# Altium PCB MMB_Controller_Board.pcbdoc (part 2 of 3) (continued)
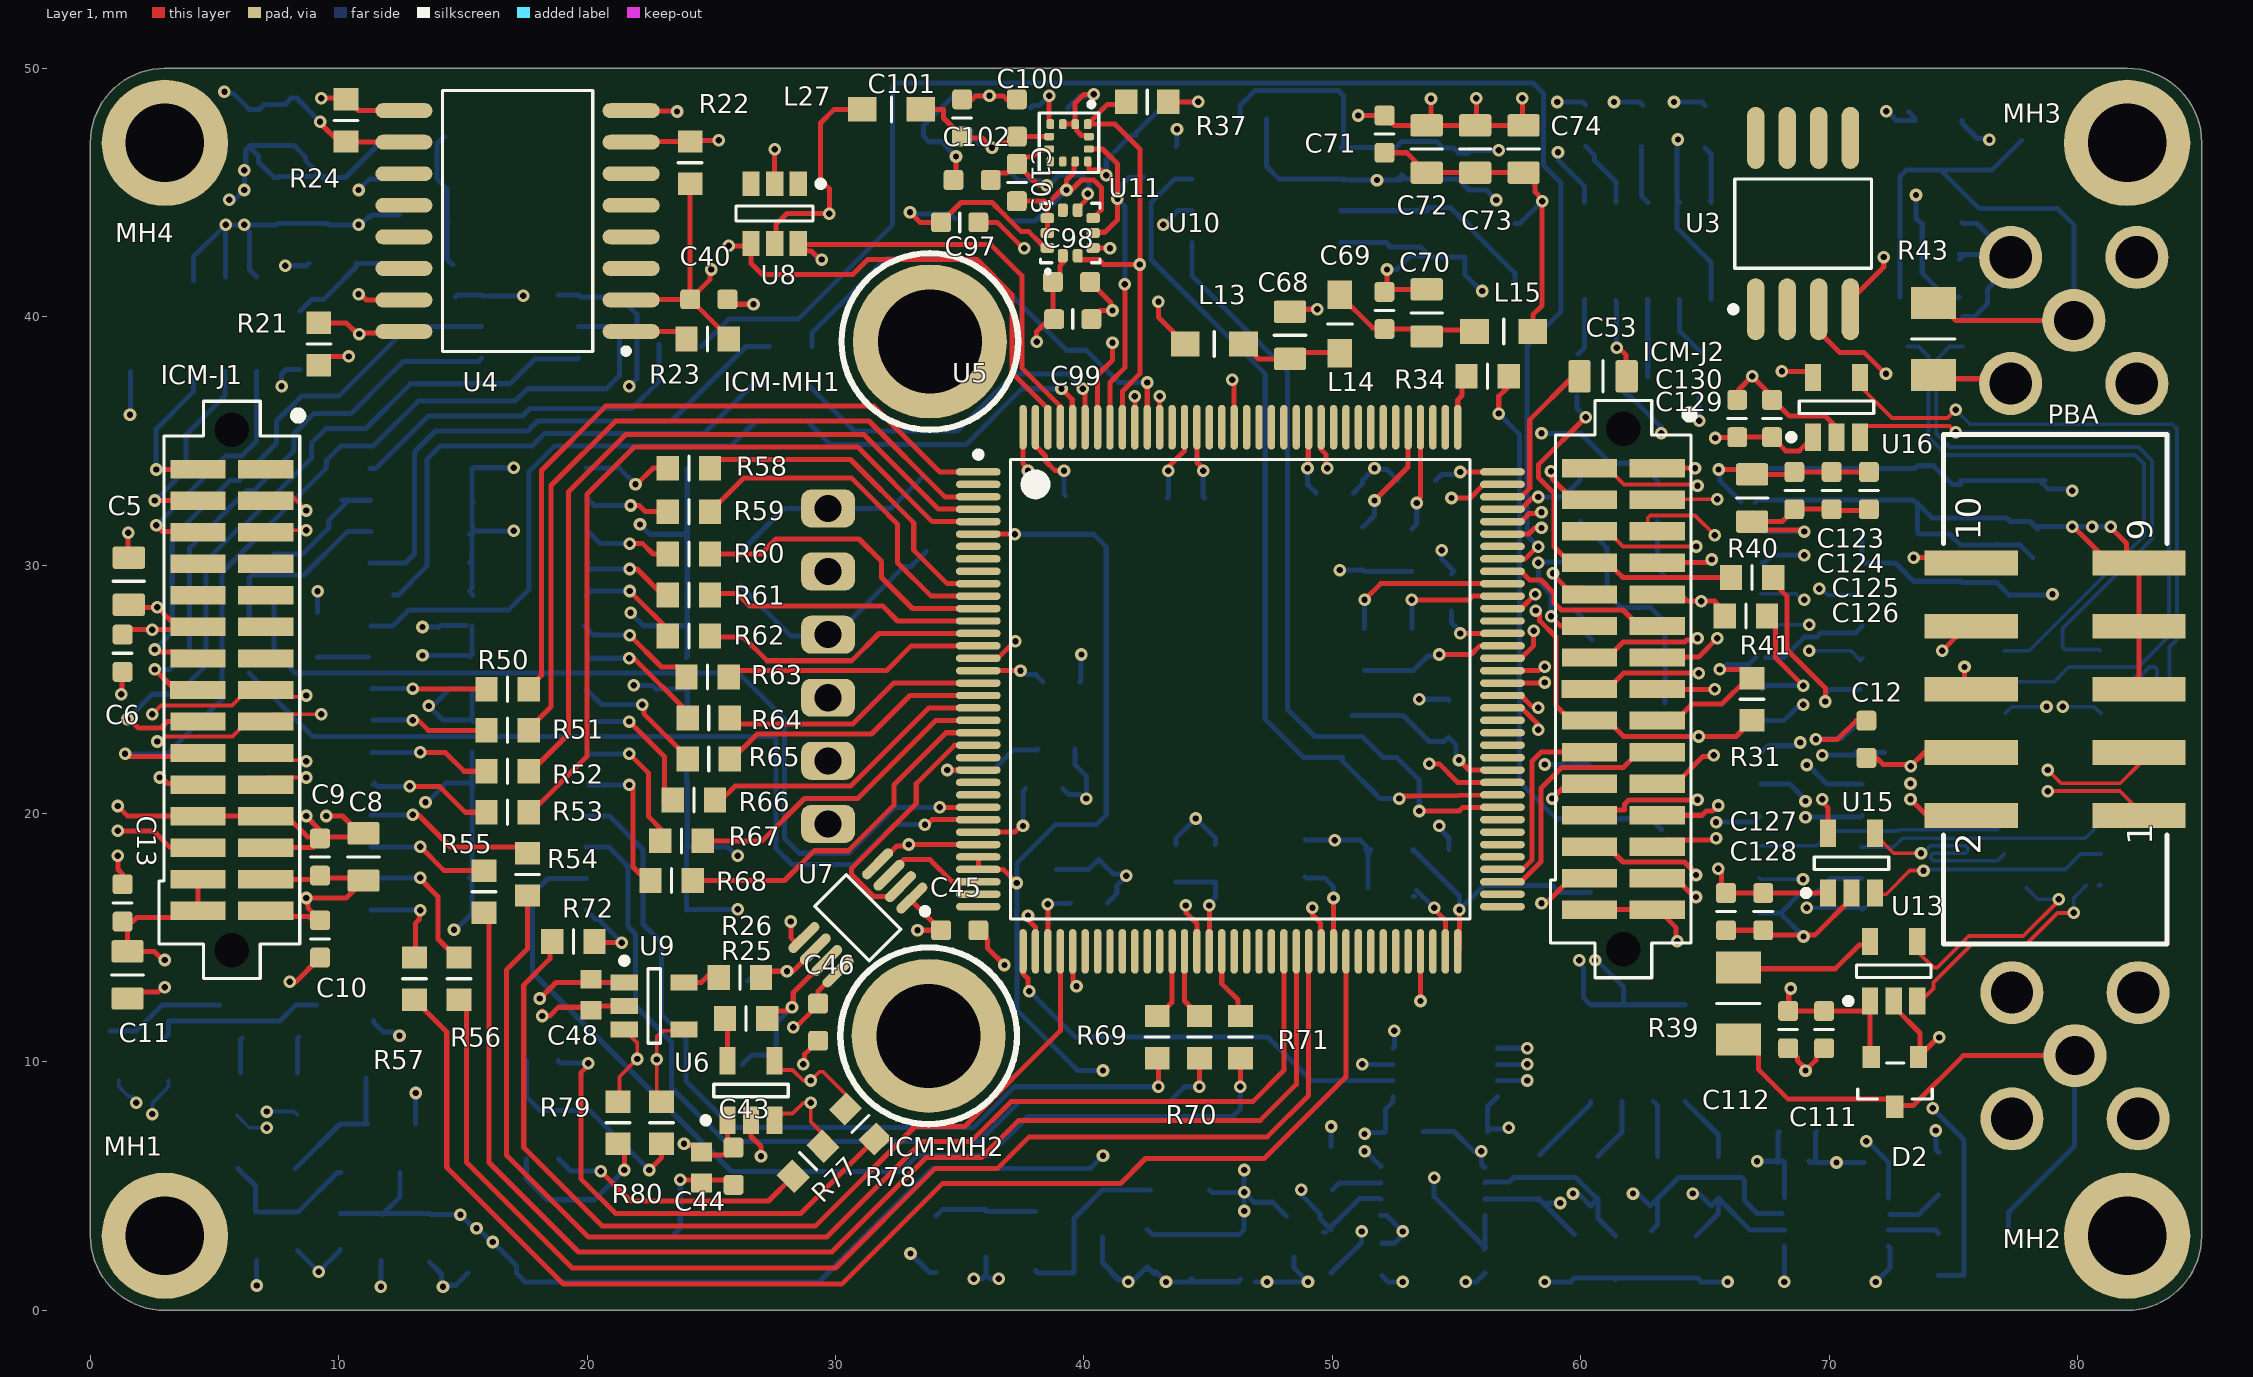
[diagram p0: Layer 1 view]
## Nets (pads, with @x,y where several pads share a name; then routed paths per layer and width w, separated by ;. In a path a pad name is that pad's centre, name@x,y a point inside that pad or via, vN(x,y) a via of type N, cw(c..) or ccw(c..) an arc to the next point about the centre after c; other vN are vias at no path point) (continued)
  Layer 8 w0.203: v1(1.25,24.8) 1.275,24.825 1.275,25.675 C7.1@1.3,25.7 ; P2.5@4.15,41.45 4.15,42.4 v1(5.45,43.7) ; v1(5.4,49.05) 5.458,48.992 5.758,48.992 C78.1@6.4,48.35 6.81,48.35 7.001,48.542 7.842,48.542 C81.1@8.1,48.8 8.3,48.8 v1(9.25,47.85) ; P2.7@5.45,41.6 v1(5.45,43.7) ; v1@6.25,43.65 v1(6.2,43.7) ; v1(6.7,1) C84.1@6.7,2 ; P2.9@6.7,41.6 6.417,41.883 6.417,43.401 6.2,43.618 v1(6.2,43.7) ; v1(7.85,42.05) 8.7,42.05 C75.1@8.8,42.15 ; C83.1@8.35,2.4 v1(9.2,1.55) 10.05,2.4 C85.1@10.05,2.45 ; C79.1@9.5,43.75 C80.1@7.55,43.75 7.5,43.7 v1(6.2,43.7) ; C79.1@9.55,43.75 9.6,43.7 v1(10.8,43.7) 10.882,43.7 11.232,44.05 11.25,44.05 ; v1@10.85,45.1 10.85,45.15 11.25,45.55 C76.1@12.45,45.55 ; 11.25,44 11.35,44.1 C77.1@12.45,44.1 ; v1(11.7,0.95) C88.1@11.7,2 ; C82.1@13.1,7.5 v1(13.1,8.75) ; v1(13.374,26.363) 15.208,26.363 15.272,26.299 15.364,26.391 P12.11@15.364,27.55 ; v1(13.374,27.506) 14.031,27.506 14.094,27.569 P12.11@15.145,27.569 ; v1(13.494,20.457) 13.564,20.457 14.326,21.219 P12.21@15.272,21.219 ; C86.1@13.65,1.95 14.142,1.458 14.142,1.008 v1(14.2,0.95) 14.258,1.008 14.708,1.008 C87.1@15.2,1.5 ; v1@14.637,15.25 15.364,15.977 P12.29@15.364,16.12 ; P33.5@14.7,40.8 14.77,40.87 P33.5@15.75,40.87 15.782,40.838 v1(17.431,40.838) ; P12.17@15.145,23.759 14.2,23.759 v1(13.628,24.331) 13.686,24.389 13.842,24.389 14.481,25.029 P12.15@15.145,25.029 ; P12.27@15.272,17.409 15.364,17.501 P12.25@15.364,18.66 ; P12.25@15.272,18.679 15.364,18.771 P12.23@15.364,19.93 ; P12.17@15.272,23.759 15.364,23.851 P12.15@15.364,25.01 ; P12.9@15.272,28.966 15.364,29.058 P12.7@15.364,30.09 ; P12.7@15.272,30.109 15.364,30.201 P12.5@15.364,31.344 ; P12.5@15.272,31.252 P12.5@15.364,31.344 ; P12.27@15.364,17.39 15.364,16.174 P12.29@15.399,16.139 ; P12.19@15.364,22.47 P12.21@15.364,21.2 P12.21@15.364,21.127 ; P12.17@15.364,23.74 P12.17@15.399,23.705 ; P12.9@15.364,28.82 P12.9@15.399,28.785 ; P12.5@15.364,31.36 P12.5@15.364,31.344 ; P12.1@15.364,33.9 P12.3@15.364,32.63 P12.3@15.364,32.557 ; P12.23@15.399,19.949 15.364,19.984 P12.21@15.364,21.127 ; P12.21@15.399,21.092 P12.21@15.364,21.127 ; P12.5@15.399,31.506 15.364,31.541 P12.3@15.364,32.557 ; P12.3@15.399,32.522 P12.3@15.364,32.557 ; P12.1@15.399,33.919 v1(17.05,33.919) ; v1(17.05,31.379) 15.399,31.379 P12.5@15.364,31.344 ; v1(21.75,28.082) 22.273,27.559 24.003,27.559 24.032,27.588 P15.9@24.032,28.731 ; v1(21.877,25.161) 22.62,25.161 22.762,25.019 P15.15@23.876,25.019 ; v1(22.131,31.638) 22.527,31.242 P15.5@24.003,31.242 ; TP4.1@23.495,3.048 23.75,3.303 v1(23.75,5.25) ; P15.27@24.003,17.399 24.003,16.139 P15.29@24.032,16.11 24.051,16.129 v1@26.035,16.129 ; P15.25@24.003,18.669 24.003,17.409 P15.27@24.032,17.38 ; P15.23@24.003,19.939 24.032,19.91 P15.25@24.032,18.65 25.673,18.65 v1@26.035,18.288 ; P15.19@24.003,22.479 P15.21@24.003,21.336 ; P15.19@24.003,22.489 P15.19@24.032,22.46 ; P15.17@24.003,23.749 24.032,23.778 P15.15@24.032,25 ; P15.13@24.003,26.289 24.032,26.318 P15.11@24.032,27.54 ; P15.9@24.003,28.702 P15.9@24.032,28.731 ; P15.5@24.003,31.369 24.032,31.398 P15.3@24.032,32.62 ; P15.3@24.003,32.766 24.032,32.795 P15.1@24.032,33.89 ; P15.23@24.032,19.92 P15.21@24.032,21.19 ; P15.7@24.032,30.08 P15.9@24.032,28.81 P15.9@24.032,28.731 ; P15.7@24.032,30.099 24.032,31.242 P15.5@24.032,31.35 ; C41.1@26.3,30.65 27.93,32.28 P9.1@29.7,32.28 32.23,32.28 C42.1@33.45,33.5 ; C96.1@34.8,45.45 34.85,45.5 v1(34.85,46.45) 34.257,47.043 33.757,47.043 33.55,47.25 C134.1@33.55,47.5 33.55,47.7 34.75,48.9 v1(36.2,48.9) ; C89.1@36.05,2.15 36.05,1.45 ; 36.053,1.397 35.926,1.27 v1(35.56,1.27) 35.87,1.27 36.05,1.45 ; v1(36.576,1.27) 36.23,1.27 36.05,1.45 ; C133.1@37.1,43.85 38.05,43.85 v1(39.3,45.1) ; C51.1@38.9,17.75 40.2,17.75 C50.1@40.6,18.15 41.192,17.558 41.642,17.558 v1(41.7,17.5) 41.7,17.466 41.322,17.088 41.322,16.772 C58.1@40.95,16.4 ; C67.2@39.15,21 39.387,20.763 39.855,20.763 40.018,20.6 v1(40.1,20.6) 40.1,21.5 39.65,21.95 C49.1@39.65,22.6 ; v1(39.2,33.8) 39.2,32.85 C59.1@39.25,32.8 ; C104.2@39.35,48.4 39.842,48.892 40.342,48.892 v1(40.4,48.95) ; C57.1@39.85,25.3 39.875,25.325 39.875,26.375 v1(39.9,26.4) ; C91.1@40.75,2.95 40.75,1.922 C90.1@41.344,1.328 ; C90.1@41.1,1.5 41.387,1.213 41.631,1.213 41.701,1.143 v1(41.783,1.143) ; v1@41.783,1.27 v1@41.783,1.188 ; v1@41.865,1.27 v1@41.783,1.188 ; C92.1@42.263,1.463 C92.1@42.451,1.651 ; C92.1@42.545,1.651 C92.1@42.451,1.651 ; C92.1@42.59,1.7 C92.1@42.837,1.453 ; v1(43.2,43.7) 43.765,44.265 U12.2@44.35,44.265 ; C56.1@43.7,18.75 43.7,19 v1(44.5,19.8) 45.3,19 C55.1@45.3,18.75 ; U12.4@43.7,46.85 43.75,46.9 v1(43.75,47.55) ; C94.1@44.316,1.15 46.2,1.15 C95.1@46.3,1.25 ; C94.1@44.323,1.27 44.196,1.143 v1(43.307,1.143) 42.912,1.538 42.762,1.538 C92.1@42.55,1.75 C92.1@42.451,1.651 ; v1(44.8,33.8) 44.8,32.75 C66.2@44.85,32.7 ; 46.893,1.143 v1(47.371,1.143) v1(49.022,1.143) 48.45,1.715 C93.1@48.45,2.15 ; U12.6@47.35,47.95 U12.6@47.35,47.9 47.35,46.05 47.865,45.535 U12.9@50.35,45.535 ; C62.2@48.9,18.95 48.913,18.938 50.087,18.938 v1(50.1,18.925) 51.125,18.925 C54.1@51.35,18.7 ; v1(50.3,29.8) 51.25,29.8 ID3.2@51.3,29.75 ID2.2@53.2,29.75 ; U12.11@50.35,42.995 52.155,42.995 C108.1@52.3,42.85 52.3,42.8 53.55,42.8 C110.1@53.9,42.45 53.15,42.45 52.6,41.9 v1(52.2,41.9) ; U12.11@50.4,42.95 U12.11@50.437,42.913 ; U12.9@50.4,45.5 50.45,45.55 50.5,45.5 v1(51.8,45.5) ; C65.2@50.85,32.9 51.222,33.272 51.222,33.422 v1(51.7,33.9) 51.758,33.842 52.208,33.842 C60.1@52.65,33.4 ; v1(51.3,6.4) 51.35,6.4 U1.4@51.95,5.8 ; ID1.2@51.3,25.75 ID0.2@53.2,25.75 53.25,25.75 53.842,26.342 54.242,26.342 v1(54.3,26.4) ; C52.1@51.435,17.018 51.435,18.349 C54.1@51.501,18.415 ; C54.1@51.435,18.415 51.35,18.5 51.35,18.542 C54.1@51.562,18.542 ; v1@51.85,45.55 v1(51.8,45.5) ; C2.1@52,1.4 52.257,1.143 v1(52.832,1.143) ; U17.4@52.45,10.55 52.5,10.6 v1(52.5,11.25) v1@52.5,11.3 ; C105.1@52.644,45.55 52.794,45.7 52.944,45.55 C106.1@54.2,45.55 55.05,45.55 C107.1@55.5,45.1 56.2,45.1 v1(56.6,44.7) ; C105.1@52.8,45.55 52.75,45.5 v1(51.8,45.5) ; v1(53.5,24.6) 54.65,24.6 C63.2@54.7,24.55 ; C132.1@53.65,7.2 C131.1@54.75,7.2 54.9,7.2 55.7,6.4 v1(56,6.4) 56,5.866 56.091,5.775 U1.5@56.15,5.775 ; C110.1@53.9,42.4 C109.1@55.35,42.4 55.35,41.678 v1@56.007,41.021 ; C106.1@54.082,45.7 C106.1@54.102,45.72 ; v1(54.3,19.5) 54.3,19.418 54.7,19.018 C61.1@54.7,18.55 ; v1(54.4,30.6) 54.4,30.25 54.9,29.75 C64.2@54.8,29.65 ; v1(55.372,1.143) 55.793,1.143 C1.1@56.15,1.5 ; U17.5@56.7,10.55 U17.5@56.65,10.55 57.776,10.55 v1@57.785,10.541 ; v1(58.547,1.143) 59.593,1.143 R2.1@59.75,1.3 R5.1@61.4,1.3 ; v1(58.547,21.971) 59.357,21.971 59.484,21.844 59.611,21.971 P10.3@60.325,21.971 ; v1@59.091,46.609 59.091,46.309 60.16,45.24 P6.1@60.16,44.6 ; R5.1@61.4,1.25 61.45,1.3 R7.1@63.05,1.3 ; P6.4@61.4,40.65 61.45,40.6 v1(61.45,38.75) ; R7.1@63.1,1.3 R8.1@64.7,1.3 64.857,1.143 v1(65.913,1.143) ; v1@63.881,47.117 P6.7@63.881,44.689 ; P6.7@63.97,44.6 P6.7@63.881,44.689 ; P6.10@65.24,40.7 65.24,42.202 63.881,43.561 P6.7@63.881,44.689 ; v1(65.45,19.65) 65.453,19.653 66.953,19.653 P11.24@67.2,19.9 ; v1(65.55,33.85) 65.608,33.792 65.608,33.392 P11.4@66.45,32.55 ; v1(65.6,25.8) 65.682,25.8 65.886,26.003 66.77,26.003 P11.14@67.056,26.289 ; P11.4@67.025,32.525 P11.4@67.15,32.65 ; P11.30@67.183,16.002 P11.30@68.016,16.002 ; P11.4@67.268,32.62 71.23,32.62 P11.3@71.25,32.6 ; P11.14@67.437,26.289 68.189,26.289 69,27.1 69.495,27.1 69.668,27.273 71.065,27.273 P11.11@71.332,27.54 ; v1(68.199,1.143) U2.5@68.2,2.575 U2.5@68.2,2.575 ; v1(68.968,15.05) P11.30@68.016,16.002 ; C3.1@69.2,6 69.25,5.95 C3.1@69.45,5.95 ; v1(69.469,22.987) 69.508,23.026 70.524,23.026 P11.17@71.12,23.622 ; C47.1@69.5,7.2 69.45,7.15 C3.1@69.45,5.95 ; v1(70.3,5.95) C3.1@69.45,5.95 ; v1@70.3,6 70.35,5.95 C4.1@71.4,5.95 ; P11.27@71.332,17.38 70.062,17.38 69.446,16.764 68.824,16.764 68.062,16.002 P11.30@68.016,16.002 ; P11.3@71.332,32.62 73.38,32.62 C116.1@73.55,32.45 ; v1(71.882,1.143) 72.45,1.711 72.45,2.525 U2.4@72.4,2.575 ; v1@72.263,48.26 72.351,48.26 72.711,47.9 D3.1@73.45,47.9 73.45,48 D3.1@73.202,48.248 ; C119.1@73.6,31.25 74.85,31.25 C120.1@75.3,30.8 76.7,30.8 C121.1@76.75,30.85 ; C119.1@73.6,31.3 73.55,31.35 C116.1@73.55,32.45 ; C118.1@75.25,31.9 74.15,31.9 C116.1@73.55,32.5 C116.1@73.55,32.45 ; U14.2@75.25,39.85 75.4,40 75.85,40 76.372,40.522 76.372,41.1 77.2,41.928 J3.2@77.2,42.3 ; C113.1@75.25,42.3 C113.1@75.34,42.39 ; C113.1@75.25,42.5 J3.2@77.2,42.5 ; C118.1@75.3,31.9 C117.1@76.75,31.9 77.16,31.9 77.301,31.758 78.092,31.758 C115.1@78.4,31.45 ; C114.1@75.35,43.8 75.4,43.75 75.95,43.75 J3.2@77.2,42.5 ; C121.1@76.75,30.8 77.7,30.8 C122.1@78.2,30.3 ; J3.2@77.2,42.39 J3.2@77.31,42.39 J3.2@77.2,42.5 ; C115.1@78.4,31.5 C115.1@78.45,31.55 ; C115.1@78.486,31.546 v1(79.786,31.546) v1(80.586,31.546) v1(81.336,31.546) ; v1(5.45,43.7) v1(6.2,43.7) ; P15.21@24.003,21.336 24.032,21.307 P15.21@24.032,21.19 ; P15.21@24.003,21.336 24.003,21.219 P15.21@24.032,21.19 ; v1(41.783,1.143) 41.841,1.201 41.991,1.201 42.441,1.651 C92.1@42.451,1.651 ; v1(41.783,1.143) v1@41.783,1.188
  other v1: 57.85,10.55 74.429,10.986 8.034,13.223 14.644,15.314 26.068,16.144 26.068,18.303 37.244,26.939 1.531,31.306 56.04,41.036 41.05,42.75 10.8,45.1 59.088,46.624 63.914,47.132 51.05,48.1 72.296,48.275
ICM_+1V8: C5.2 C6.2 C7.2 C123.2 C124.2 C125.2 C126.2 ICM-J1.12 ICM-J1.22 L13.1 L16.1 P11.6 P11.8 P33.6 | length 189.1
  Layer 1 w0.203: C6.2@1.3,27.2 1.5,27.4 v1(2.5,27.4) 4.222,27.4 ICM-J1.12@4.335,27.512 3.488,27.512 v1(2.7,28.3) 1.65,28.3 C5.2@1.55,28.4 ; v1(2.8,21.45) 2.882,21.45 3.123,21.209 ICM-J1.22@4.318,21.209 ; v1(43,40.6) 43,39.975 L13.1@44.075,38.9 ; C123.2@66.95,31.7 67.242,31.408 68.942,31.408 v1(69,31.35) ; C123.2@66.95,31.75 68.1,31.75 C124.2@68.6,32.25 C125.2@70.1,32.25 ; C125.2@70.1,32.2 C126.2@71.6,32.2
  Layer 4 Pow w0.5: v1(2.5,27.4) 2.5,27.398 1.994,26.892 1.994,25.362 3.306,24.051 3.306,21.975 v1@2.794,21.463 ; v1(2.7,28.3) 2.698,28.302 2.305,28.302 0.635,29.972 0.635,35.941 3.475,38.782 5.781,38.782 7.362,37.2 v1(7.7,37.2) v1(21.7,37.2) 21.982,37.2 26.543,32.639 26.543,19.304 30.303,15.544 30.303,8.432 33.401,5.334 44.323,5.334 45.593,6.604 48.641,6.604 49.784,5.461 52.07,5.461 53.467,6.858 53.467,8.89 63.246,18.669 63.246,23.456 63.539,23.749 66.509,23.749 67.735,24.975 67.735,29.127 67.945,29.337 ; v1(43,40.6) 44.357,39.243 55.363,39.243 62.992,31.614 62.992,31.552 65.207,29.337 67.945,29.337 ; v1@68.961,30.353 67.945,29.337 ; v1@68.998,31.332 68.998,30.402 v1(69,30.4)
  Layer 8 w0.203: C7.2@1.3,27.2 1.5,27.4 v1(2.5,27.4) ; v1(7.7,37.2) 7.7,37.7 7.875,37.875 L16.1@8.45,37.875 ; P33.6@18.825,40.87 P33.6@19.65,40.87 19.72,40.8 21.3,40.8 22,40.1 22,37.5 v1(21.7,37.2) ; P11.8@67.3,30.1 67.35,30.05 67.7,30.4 v1(69,30.4) ; P11.6@67.35,31.35 v1(69,31.35)
ICM_+3V3: C8.2 C9.2 C10.2 C119.2 C120.2 C121.2 C122.2 ICM-J1.27 ICM-J1.29 L19.1 L22.1 P11.5 P11.7 | length 124.4
  Layer 1 w0.203: ICM-J1.29@7.05,16.05 ICM-J1.29@7.065,16.065 ; ICM-J1.29@7.065,16.082 7.568,16.082 7.8,15.85 8.8,15.85 9.1,15.55 C10.2@9.25,15.4 ; ICM-J1.27@7.065,17.352 7.065,17.335 7.08,17.35 9.3,17.35 9.35,17.4 11,17.4 C8.2@11.05,17.4 ; C10.2@9.2,15.7 9.2,15.76 8.758,16.202 8.758,16.542 v1(8.7,16.6) 10.3,16.6 C8.2@11,17.3
  Layer 4 Pow w0.5: v1(8.7,16.6) 8.7,14.795 v1(12.446,11.049) 21.209,2.286 v1(33.02,2.286) 71.12,2.286 72.517,3.683 72.517,27.305 74.041,28.829 v1(78.994,28.829)
  Layer 8 w0.203: L19.1@11.4,11.675 11.4,11.6 11.798,11.202 12.282,11.202 12.434,11.049 v1(12.446,11.049) ; v1(33.02,2.286) 33.782,1.524 L22.1@34.036,1.524 ; P11.7@71.332,30.08 72.67,30.08 73.4,29.35 C119.2@73.55,29.35 ; P11.7@71.332,30.082 P11.5@71.332,31.35 ; C119.2@73.6,29.35 75.3,29.35 75.35,29.3 C121.2@76.7,29.3 ; C121.2@76.75,29.3 77.25,28.8 C122.2@78.2,28.8 v1@78.994,28.8
ICM_CAL_TIME_N: ICM-J1.21 P14.3 R74.2 U16.4 | length 136.5
  Layer 1 w0.152: ICM-J1.21@6.95,21.25 7.15,21.45 v1(8.7,21.45) ; U16.4@71.2,37.45 U16.4@71.25,37.5 ; U16.4@71.25,37.55 U16.4@71.25,37.5 ; U16.4@71.3,37.55 U16.4@71.25,37.5 ; v1(75.1,36.25) 74.767,35.917 72.533,35.917 71.25,37.2 U16.4@71.25,37.5
  Layer 6 w0.102: v1(7.1,8) 7.3,8 7.478,7.822 7.779,7.822 10.033,10.076 10.033,20.389 9.051,21.372 8.778,21.372 v1(8.7,21.45) 6.5,23.65 6.5,33.9 8.9,36.3 25.3,36.3 32,43 35.5,43 38.85,39.65 71.7,39.65 v1(75.1,36.25)
  Layer 8 w0.152: v1(7.1,8) 8.2,8 R74.2@8.35,7.85 ; v1(75.1,36.25) 75.683,35.668 83.814,35.668 84,35.482 84,27.001 83.7,26.701 83.7,25 83.6,24.9 83.3,24.9 83.2,25 83.2,25.8 83.1,25.9 82.9,25.9 82.6,25.6 82.6,25.582 82.382,25.582 82.05,25.25 81,25.25 P14.3@80.95,25.3
ICM_CAL_TIME_P: ICM-J1.19 P14.4 R73.1 U16.3 | length 136.4
  Layer 1 w0.152: ICM-J1.19@7.112,22.479 7.451,22.14 8.66,22.14 v1(8.7,22.1) ; U16.3@71.25,35.45 71.4,35.6 74.85,35.6 v1(75.1,35.35)
  Layer 6 w0.102: v1@7.2,7.45 7.3,7.35 7.684,7.35 10.3,9.966 10.3,20.5 v1(8.7,22.1) 8.622,22.178 8.422,22.178 6.767,23.833 6.767,33.79 9.01,36.033 25.41,36.033 32.11,42.733 35.39,42.733 38.74,39.383 71.59,39.383 74.511,36.461 74.511,36.255 75.022,35.744 75.022,35.428 v1(75.1,35.35)
  Layer 8 w0.152: R73.1@5.9,7.85 6.4,7.35 v1(7.1,7.35) ; v1@75.164,35.35 83.682,35.35 83.682,27.132 82.45,25.9 79.65,25.9 79.05,25.3 P14.4@77,25.3
ICM_CAL_TRIG_N: ICM-J1.17 P13.3 R76.2 U15.4 | length 102.7
  Layer 1 w0.152: v1(2.7,22.9) 2.796,22.9 2.996,23.1 5.72,23.1 6.322,23.702 ICM-J1.17@7.065,23.702 7.357,23.995 9.295,23.995 v1(9.3,24) ; U15.4@71.85,19.15 72.6,18.4 v1(73.7,18.4)
  Layer 6 w0.102: v1(2.5,7.9) 2.5,8.3 2.25,8.55 2.25,23.15 2.31,23.21 2.631,23.21 2.812,23.028 2.7,22.917 v1(2.7,22.9) ; v1(9.3,24) 9.3,24.4 9.6,24.4 9.8,24.2 9.8,23.55 11.45,21.9 22.1,21.9 22.9,21.1 37.4,21.1 37.65,21.35 70.75,21.35 73.258,18.842 73.342,18.842 73.5,19 73.8,19 74,18.8 74,18.66 73.74,18.4 v1(73.7,18.4)
  Layer 8 w0.152: v1(2.5,7.9) 2.5,8.35 3.15,9 R76.2@3.15,9.25 ; v1@73.735,18.365 v1(73.7,18.4) 73.782,18.4 74.082,18.7 75.495,18.7 75.584,18.611 75.584,18.484 75.5,18.4 74.2,18.4 74.1,18.3 74.1,18.2 74.2,18.1 76.785,18.1 P13.3@77.05,18.365
ICM_CAL_TRIG_P: ICM-J1.15 P13.4 R75.1 U15.3 | length 102.6
  Layer 1 w0.152: v1@2.6,24 v1(2.5,24) 2.85,24.35 5.7,24.35 6.322,24.972 ICM-J1.15@7.065,24.972 ; ICM-J1.15@7.05,24.9 7.25,24.7 8.65,24.7 v1(8.7,24.75) ; U15.3@71.9,16.75 72.3,16.75 73.25,17.7 v1(73.8,17.7)
  Layer 6 w0.102: v1(1.85,8.35) 1.983,8.483 1.983,23.383 2.5,23.9 v1(2.5,24) ; v1(8.7,24.75) 8.7,24 9.15,23.55 9.423,23.55 11.34,21.633 21.967,21.633 22.8,20.8 37.477,20.8 37.76,21.083 70.64,21.083 73.294,18.429 73.294,18.206 v1(73.8,17.7)
  Layer 8 w0.152: R75.1@1.15,9.25 1.15,9 1.554,8.596 1.7,8.596 1.85,8.446 v1(1.85,8.35) ; v1(73.8,17.7) 73.85,17.75 79.51,17.75 80.125,18.365 P13.4@80.95,18.365
ICM_FPGA_CLOCK_N: ICM-J2.3 P11.9 R78.2 U6.4 | length 86.8
  Layer 1 w0.152: U6.4@27.55,10 27.875,9.675 28.275,9.675 28.7,9.25 v1(29,9.25) 29.35,9.6 29.5,9.6 30.399,8.701 R78.2@30.399,8.101 ; ICM-J2.3@63.1,32.65 v1(65.5,32.65)
  Layer 6 w0.102: v1@29.05,9.25 v1(29,9.25) 28.95,9.2 28.95,8.95 28.794,8.794 28.594,8.594 28.594,8.182 28.832,7.944 29.106,7.944 30.25,6.8 36.95,6.8 38.2,8.05 58.477,8.05 68.46,18.033 69.49,18.033 72.173,15.35 75.84,15.35 75.9,15.41 75.91,15.41 77.75,17.25 77.75,20.45 69.6,28.6 v1(69.6,29.05) ; v1(65.5,32.65) 65.5,32.427 68.877,29.05 v1@69.5,29.05
  Layer 8 w0.152: v1(69.6,29.05) 69.696,29.05 69.946,28.8 P11.9@71.25,28.8
ICM_FPGA_CLOCK_P: ICM-J2.2 P11.10 R77.1 U6.3 | length 87
  Layer 1 w0.152: U6.3@27.55,7.6 27.875,7.925 28.275,7.925 28.7,8.35 v1(29,8.35) 29,7.6 29.501,7.099 R77.1@29.501,6.601 ; ICM-J2.2@60.35,33.9 61.093,33.9 61.743,33.25 v1@64.7,33.25
  Layer 6 w0.102: v1(29,8.35) 29.077,8.35 30.36,7.067 36.84,7.067 38.09,8.317 58.367,8.317 68.35,18.3 69.6,18.3 72.283,15.617 75.73,15.617 75.79,15.676 75.799,15.676 77.483,17.36 77.483,20.317 69.15,28.65 69.05,28.65 v1(69,28.6) ; v1(64.7,33.2) 64.7,32.85 v1@69,28.55
  Layer 8 w0.152: P11.10@67.25,28.85 68.654,28.85 68.904,28.6 v1(69,28.6)
ICM_FPGA_GPIO_0: ICM-J2.8 R11.2 R40.1 | length 14.8
  Layer 1 w0.203: v1@60.198,35.941 60.191,35.941 58.293,34.043 58.293,33.528 58.928,32.893 58.928,30.734 59.457,30.205 60.235,30.205 ICM-J2.8@60.35,30.09 ; ICM-J2.8@60.35,30.1 61.1,30.1 61.509,29.691 61.7,29.5 R40.1@66,29.5
  Layer 8 w0.203: R11.2@59.85,36.8 R11.2@59.85,36.8 59.85,36.798 59.85,36.3 v1(60.2,35.95)
ICM_FPGA_GPIO_1: ICM-J2.9 R12.1 R41.2 | length 27.8
  Layer 1 w0.203: ICM-J2.9@63.1,28.8 64.05,28.8 64.3,28.55 v1(64.85,28.55) 65.4,28.55 65.75,28.2 R41.2@65.75,27.95
  Layer 3 w0.14: v1(59.055,48.641) 64.9,42.796 64.9,37.15 66,36.05 66,29.7 v1(64.85,28.55)
  Layer 8 w0.203: v1(59.055,48.641) 60.071,48.641 R12.1@60.198,48.514
ICM_FPGA_SYNC_N: ICM-J2.5 P11.12 R80.2 U9.4 | length 87.5
  Layer 1 w0.152: R80.2@23,8.45 23.05,8.5 22.75,8.8 22.8,8.85 v1(22.8,10.1) 22.8,11 23.05,11.25 23.85,11.25 U9.4@23.9,11.3 ; ICM-J2.5@63.081,31.36 62.992,31.36 62.7,31.652 62.7,31.9 62.8,32 64.6,32 v1(65.4,31.2)
  Layer 6 w0.102: v1(22.8,10.1) 22.825,10.125 23.375,10.125 27.8,14.55 58.375,14.55 59.225,15.4 64.65,15.4 68.05,18.8 70.35,18.8 72.7,16.45 75.4,16.45 76.5,17.55 76.5,20.02 69.21,27.31 69.21,27.59 v1(69.2,27.6) 68.9,27.3 68.585,27.3 67.147,28.738 67.147,29.309 65.439,31.017 65.4,31.017 v1(65.4,31.2)
  Layer 8 w0.152: P11.12@67.31,27.559 67.351,27.6 v1(69.2,27.6)
ICM_FPGA_SYNC_P: ICM-J2.6 P11.13 R79.1 U9.3 | length 87.6
  Layer 1 w0.152: R79.1@21.25,8.45 21.3,8.5 21.3,9.4 v1(22.015,10.115) 22.015,10.785 U9.3@21.5,11.3 ; ICM-J2.6@61,31.15 61.303,31.15 61.703,30.75 v1(64.65,30.75)
  Layer 6 w0.102: v1(22.015,10.115) 22.464,10.564 23.436,10.564 27.69,14.817 58.265,14.817 59.115,15.667 64.54,15.667 67.94,19.067 70.46,19.067 72.81,16.717 75.29,16.717 76.233,17.66 76.233,19.89 69.601,26.522 69.22,26.522 v1(69.194,26.549) 68.937,26.549 66.88,28.605 66.88,29.199 65.329,30.75 v1(64.65,30.75) v1@64.65,30.789 ; v1@64.6,30.75 v1@64.65,30.7
  Layer 8 w0.152: v1(69.194,26.549) 70.875,26.549 71.262,26.162 P11.13@71.35,26.25
ICM_FPGA_UART_CTS: ICM-J2.16 R15.2 | length 18.6
  Layer 1 w0.203: ICM-J2.16@60.34,25.01 61.083,25.01 61.723,25.65 v1(64.75,25.65)
  Layer 3 w0.14: v1@64.746,25.654 62.694,27.706 62.694,35.516 62.992,35.814 v1(64.77,35.814)
  Layer 8 w0.203: v1(64.77,35.814) 64.77,36.72 R15.2@64.85,36.8
ICM_FPGA_UART_RTS: ICM-J2.15 R16.1 | length 30.3
  Layer 1 w0.203: ICM-J2.15@63.05,25 v1(65.4,25)
  Layer 3 w0.14: v1(63.754,48.641) 67.45,44.945 67.45,25.9 66.55,25 v1(65.4,25)
  Layer 8 w0.203: v1(63.754,48.641) 64.859,48.641 R16.1@65,48.5
ICM_FPGA_UART_RX: ICM-J2.14 R14.2 | length 16.3
  Layer 1 w0.203: ICM-J2.14@60.35,26.3 61.113,26.3 61.713,26.9 64.19,26.9 64.282,26.992 64.642,26.992 v1(64.7,27.05)
  Layer 3 w0.14: v1(63.246,35.306) 63.246,28.504 64.699,27.051 v1@64.77,27.051
  Layer 8 w0.203: R14.2@61.5,37.2 61.9,36.8 62,36.8 63.246,35.554 v1(63.246,35.306)
ICM_FPGA_UART_TX: ICM-J2.13 R13.1 | length 27.3
  Layer 1 w0.203: ICM-J2.13@64.1,26.2 64.2,26.3 64.75,26.3 v1(65.5,27.05)
  Layer 3 w0.14: v1(61.341,48.641) 66,43.982 66,37.5 66.75,36.75 66.75,28.3 v1(65.5,27.05)
  Layer 8 w0.203: v1(61.341,48.641) 62.357,48.641 R13.1@62.484,48.514
ICM_MBPWR_EN: ICM-J2.23 P11.19 | length 10.3
  Layer 1 w0.203: ICM-J2.23@63.081,19.93 64.888,19.93 65.065,20.107 65.319,20.107 v1(65.532,20.32)
  Layer 3 w0.14: v1(65.532,20.32) 66.167,20.32 68.222,22.375 69.7,22.375 v1(69.723,22.352)
  Layer 8 w0.203: v1(69.723,22.352) 71.002,22.352 71.2,22.55 P11.19@71.3,22.45 ; P11.19@71.332,22.46 P11.19@72.234,22.46
ICM_MCU_BOOT: ICM-J2.18 R31.1 U5.138 | length 44.7
  Layer 1 w0.203: U5.138@40.55,35.55 40.55,37.65 41.15,38.25 v1(41.15,38.95) ; v1(58.191,28.169) 58.35,28.01 58.35,27.756 59.004,27.102 59.004,24.343 59.607,23.74 61.093,23.74 61.733,23.1 v1(64.75,23.1) 66.25,23.1 R31.1@66.85,23.7
  Layer 3 w0.14: v1(41.15,38.95) 56.5,38.95 59.491,35.959 59.491,35.107 57.741,33.357 57.741,28.619 v1(58.191,28.169)
ICM_MCU_CLOCK: R25.2 TP1.1 U7.7 | length 7.3
  Layer 1 w0.203: R25.2@27.55,12.05 28.05,12.05 28.3,12.3 28.3,12.79 U7.7@29.895,14.385
  Layer 8 w0.203: TP1.1@26.25,9.9 26.637,10.287 27.614,10.287 27.614,11.564 v1(28.25,12.2)
ICM_MCU_CLOCK_LV: U5.23 U7.2 | length 10.7
  Layer 1 w0.203: U7.2@32.865,17.355 32.865,17.315 32.2,16.65 31.55,16.65 30.65,17.55 30.65,17.8 33.25,20.4 33.25,21.2 34.8,22.75 U5.23@35.7,22.75
ICM_MCU_NRST: C49.2 ICM-J2.12 R36.1 U5.25 | length 38
  Layer 1 w0.203: v1(34.5,21.75) U5.25@35.75,21.75 ; v1(58.807,27.946) 58.807,27.934 59.182,27.559 ; 59.182,27.55 ICM-J2.12@60.35,27.55
  Layer 3 w0.14: v1(34.5,21.75) 35.25,22.5 52.6,22.5 57.011,26.911 58.265,26.911 58.801,27.448 58.801,27.84 58.807,27.846 v1(58.807,27.946)
  Layer 8 w0.203: v1(34.5,21.75) 34.558,21.692 36.292,21.692 37.15,22.55 38.1,22.55 C49.2@38.15,22.6 ; v1(58.807,27.946) 58.807,28.835 58.293,29.349 v1(58.293,30.099) 58.32,30.126 59.223,30.126 59.25,30.099 59.563,30.099 R36.1@59.69,29.972
ICM_MCU_SYNC: R26.2 TP2.1 U7.6 | length 4.4
  Layer 1 w0.203: R26.2@27,13.55 27.1,13.65 v1(28.05,13.65) 28.29,13.65 U7.6@29.185,14.545
  Layer 8 w0.203: TP2.1@26.45,13.25 26.9,13.7 26.95,13.65 v1(28.05,13.65)
ICM_MCU_SYNC_LV: U5.34 U7.3 | length 3.9
  Layer 1 w0.203: U7.3@32.405,17.815 32.415,17.815 32.75,18.15 33.8,18.15 34.681,17.269 35.731,17.269 U5.34@35.75,17.25
ICM_MCU_TIME: U16.5 U17.6 | length 44.2
  Layer 1 w0.203: v1(68.1,37.8) 69.05,37.8 U16.5@69.3,37.55
  Layer 3 w0.14: v1(57.85,9.9) 57.856,9.906 58.293,9.906 58.42,10.033 58.42,15.494 64.389,21.463 65.532,21.463 67.945,23.876 70.485,23.876 72.771,26.162 72.771,38.018 72.562,38.227 68.527,38.227 v1(68.1,37.8)
  Layer 8 w0.203: U17.6@56.65,9.9 v1(57.85,9.9)
ICM_MCU_TIME_LV: U5.97 U17.3 | length 27.5
  Layer 1 w0.203: U5.97@56.85,28.25 57.594,28.25 58.166,28.823 v1(58.166,28.829)
  Layer 3 w0.14: v1(51.2,9.9) 52.125,10.825 52.989,10.825 55.88,13.716 55.88,24.257 58.293,26.67 59.182,26.67 59.69,27.178 59.69,28.321 59.182,28.829 v1(58.166,28.829)
  Layer 8 w0.203: v1(51.2,9.9) U17.3@52.45,9.9
ICM_MCU_TRIG: U15.5 U17.7 | length 29.2
  Layer 1 w0.203: v1(69.723,20.574) 69.723,20.477 69.95,20.25 U15.5@69.95,19.2 ; U15.5@69.9,19.15 U15.5@69.95,19.2 ; U15.5@69.95,19.15 U15.5@69.95,19.2
  Layer 3 w0.14: v1(57.85,9.25) 58.145,9.25 58.801,9.906 58.801,15.367 61.904,18.47 61.904,18.482 64.643,21.222 65.799,21.222 68.072,23.495 70.739,23.495 71.374,22.86 71.374,21.336 70.612,20.574 v1(69.723,20.574)
  Layer 8 w0.203: U17.7@56.65,9.25 v1(57.85,9.25)
ICM_MCU_TRIG_LV: U5.37 U17.2 | length 17.8
  Layer 1 w0.203: U5.37@37.55,14.45 37.55,13.55 37.742,13.358 37.742,12.908 v1(37.8,12.85)
  Layer 8 w0.203: v1(37.8,12.85) 39.65,11 47.4,11 49.15,9.25 U17.2@52.45,9.25
ICM_MCU_USART_CK: ICM-J2.11 U5.100 | length 7.3
  Layer 1 w0.203: U5.100@57.592,29.75 57.6,29.75 57.95,29.4 58.4,29.4 58.928,28.872 58.928,28.482 59.216,28.194 61.706,28.194 ICM-J2.11@62.35,27.55 ; ICM-J2.11@63.05,27.55 ICM-J2.11@62.35,27.55 ; ICM-J2.11@63.081,27.55 ICM-J2.11@62.35,27.55
ICM_MCU_USART_CTS: ICM-J2.22 U5.103 | length 18.3
  Layer 1 w0.203: U5.103@56.85,31.25 57.9,31.25 58.146,31.496 v1(58.42,31.496) ; v1@58.8,20.652 v1@58.85,20.602 ; v1(58.85,20.6) v1@58.85,20.602 ; ICM-J2.22@60.3,21.2 ICM-J2.22@59.45,21.2 ; ICM-J2.22@60.35,21.2 ICM-J2.22@59.45,21.2 ; v1@58.85,20.602 58.85,20.65 58.858,20.658 58.908,20.658 ICM-J2.22@59.45,21.2
  Layer 3 w0.14: v1(58.42,31.496) 59.055,31.496 60.325,30.226 60.325,27.305 59.353,26.333 58.371,26.333 58.122,26.084 58.122,25.063 58.972,24.213 58.972,21.485 58.85,21.362 v1(58.85,20.6)
ICM_MCU_USART_RTS: ICM-J2.21 U5.104 | length 17.9
  Layer 1 w0.203: U5.104@56.85,31.75 57.6,31.75 57.923,32.073 58.362,32.073 v1(58.42,32.131) ; ICM-J2.21@63.081,21.2 63.823,21.2 64.915,22.292 65.292,22.292 v1(65.35,22.35)
  Layer 3 w0.14: v1(58.42,32.131) 59.69,32.131 61.976,29.845 61.976,27.559 65.35,24.185 v1(65.35,22.35)
ICM_MCU_USART_RX: ICM-J2.20 U5.76 | length 6.9
  Layer 1 w0.203: U5.76@57.706,17.794 58.045,18.134 58.045,22.116 58.408,22.479 60.341,22.479 ICM-J2.20@60.35,22.47
ICM_MCU_USART_TX: ICM-J2.19 U5.75 | length 10.2
  Layer 1 w0.203: U5.75@56.8,17.2 57.542,17.2 58.393,18.05 58.393,21.003 59.24,21.85 61.718,21.85 62.338,22.47 ICM-J2.19@63.081,22.47
ICM_TCK: ICM-J1.18 P33.2 | length 30.1
  Layer 1 w0.203: v1(1.5,23.8) 1.576,23.8 1.933,23.443 2.843,23.443 3.102,23.702 ICM-J1.18@4.335,23.702
  Layer 8 w0.203: v1(1.5,23.8) 2.5,24.8 3.5,24.8 4.65,25.95 4.65,30.15 6.1,31.6 6.2,31.6 8.9,34.3 8.9,34.9 9.5,35.5 11.1,35.5 12.9,37.3 16.9,37.3 17.9,38.3 19.62,38.3 P33.2@19.65,38.33
ICM_TDI: ICM-J1.14 P33.3 | length 23.2
  Layer 1 w0.203: v1(2.6,26.6) 2.682,26.6 2.773,26.509 4.068,26.509 ICM-J1.14@4.335,26.242
  Layer 8 w0.203: v1(2.6,26.6) 3.3,27.3 3.3,31.1 5.6,33.4 6,33.4 7.5,34.9 7.5,35.8 8.5,36.8 10,36.8 12.8,39.6 P33.3@15.75,39.6
ICM_TDO: ICM-J1.16 P33.1 | length 23.2
  Layer 1 w0.203: v1(2.6,25.8) 3.428,24.972 ICM-J1.16@4.325,24.972
  Layer 8 w0.203: v1(2.6,25.8) 3.2,25.8 4,26.6 4,30.7 6.3,33 6.6,33 8.2,34.6 8.2,35.3 9,36.1 10.5,36.1 12.2,37.8 12.6,38.2 15.62,38.2 P33.1@15.75,38.33